# Allegro board Single PMT Data AcquisitionV_3P3.brd (continued)
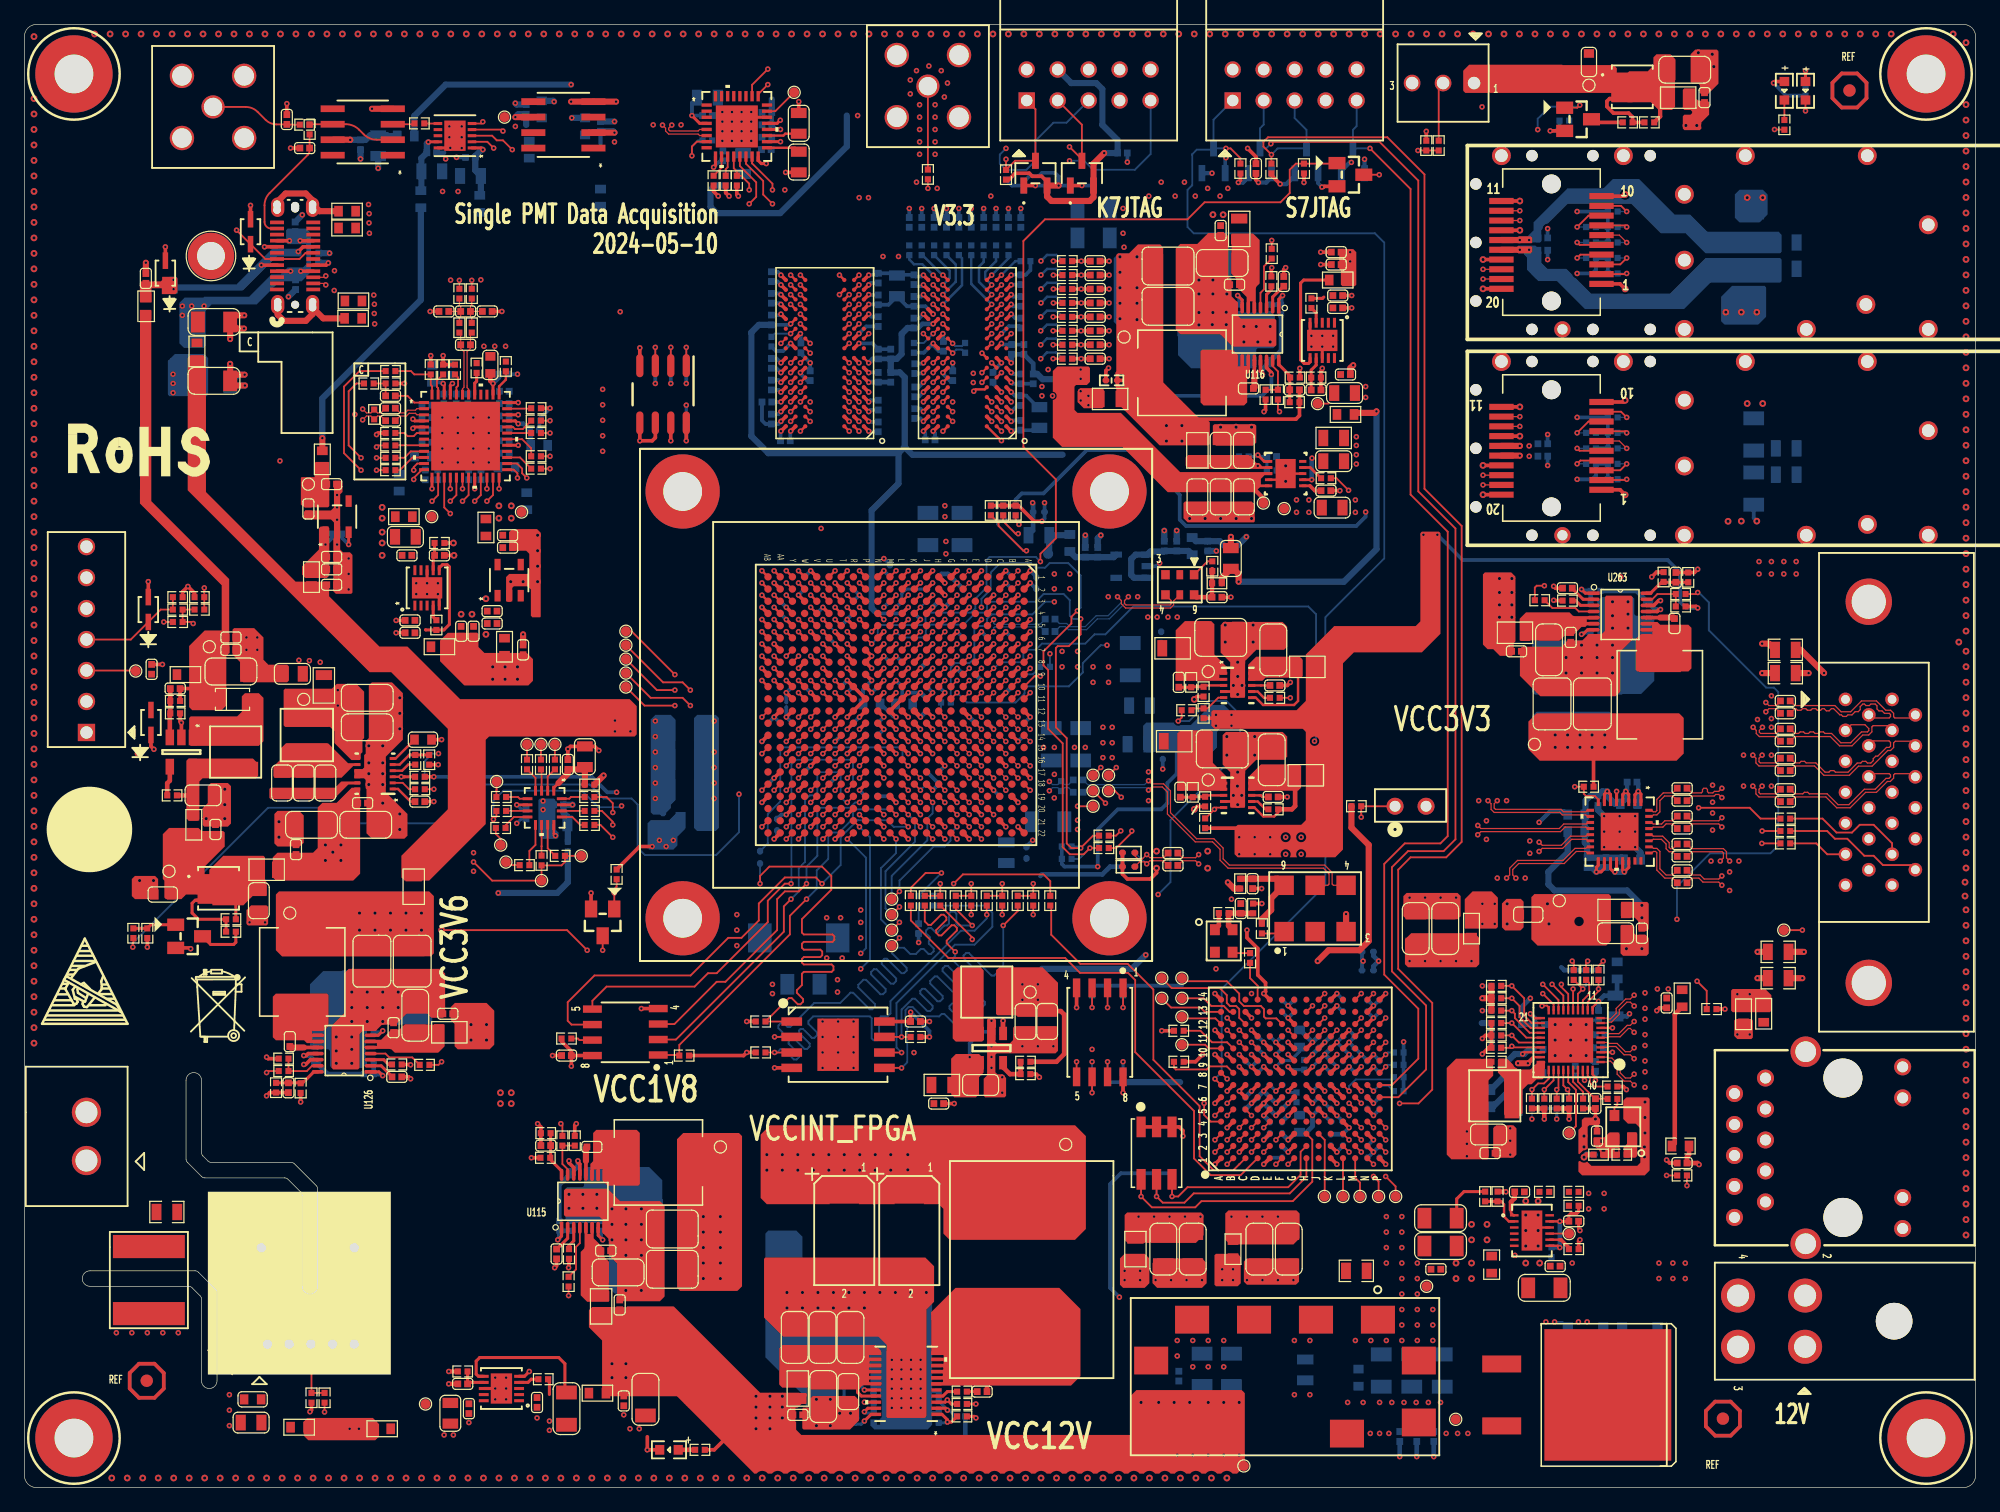
[diagram p0: board, top side]
## Routing (per net, layer and track width the routed paths; a pad name or vN(x,y) marks a point on that pad's centre or on a via; arc(x,y) is an arc through that point)
GND: length 626.9
  TOP w0.203: U98.12 43.41,53.6 v1(43.55,53.46) ; U23.8 U23.11 102.93,82.66 U23.4
  TOP w0.229: U119.4 98.99,65.29 ; U118.4 98.99,56.27
  TOP w0.254: U127.8 v1(106.43,93.57) ; v1(105.54,94.46) 105.43,94.57 U127.5 ; v1(34.92,109.87) U268.10 ; U271.18 129.56,50.77 129.29,50.5 v1(128.91,50.5) 128.91,50.88 129.06,51.03 U271.17 ; U271.5 v1(130.56,57.1) ; U133.5 41.01,9.13 v1(41.4,9.53) ; U133.8 v1(38.61,8.13) ; U129.11 v1(33.02,74.17) U129.8 ; v1(33.91,73.28) 34.02,73.17 U129.5 ; v1(58.81,112.02) 59.17,112.38 U267.22 ; U271.2 132.06,56.83 v1(132.33,57.1) 132.56,56.87 U271.1
  TOP w0.305: U79.7 v1(53.01,85.85) ; U1.H4 v1(75.48,72.19) U1.H3 ; U88.F5 v1(102.63,30.52) ; R869.2 R868.2 120.06,36.07 v1(119.55,35.56) ; R869.2 119.81,37.08 v1(119.55,36.83) ; R869.2 R872.2 ; U1.J3 v1(74.48,73.19) ; U76.B9 v1(73.72,87.44) ; U1.Y5 v1(62.48,71.19) ; U75.D8 v1(62.83,89.04) ; U88.L4 v1(108.63,29.52) ; C1186.2 88.68,91.61 v1(88.9,91.82) ; v1(28.88,86.36) 29,86.49 R976.1 ; U1.E20 v1(78.48,55.19) ; v1(47.11,60.45) 46.76,60.79 C882.2 44.78,60.79 v1(44.57,60.57) C881.2 ; U7.4 61.52,34.42 v1(61.52,34.43) ; U88.E10 v1(101.63,36.52) ; R975.2 v1(33.32,92.84) ; R1144.2 31.64,34.7 v1(31.67,34.67) ; U88.B4 v1(98.63,29.52) ; C546.2 v1(88.95,99.44) ; U88.C13 v1(100.63,38.52) ; U76.F9 v1(73.72,90.64) ; U88.P14 v1(111.63,40.52) ; U132.2 v1(25.64,77.34) ; U89.4 v1(86.28,39.37) ; U1.K13 v1(73.48,62.19) ; U79.6 51.74,86.11 51.48,85.85 v1(50.47,85.85) U79.5 ; U1.A12 v1(82.48,63.19) ; v1(134.66,26.87) 134.91,26.62 C838.1 ; R1114.2 96.17,64.88 v2(95.93,64.64) ; U1.N10 v1(70.48,66.19) ; U1.T17 v1(66.48,58.19) ; U88.F9 v1(102.63,35.52) ; C1272.2 31.51,33.69 v1(31.67,33.53) ; U1.D7 v1(79.48,69.19) ; R845.2 131.11,32.89 v1(131.37,32.64) ; U1.N8 v1(70.48,68.19) ; R2159.2 R2160.2 90.04,50.32 90.45,49.91 92.33,49.91 92.84,50.42 v2(92.84,50.8) ; U1.M9 v1(71.48,67.19) ; v1(23.41,6.22) 23.54,6.35 R1919.1 ; U1.K15 v1(73.48,60.19) ; U88.C7 v1(99.63,32.52) U88.C6 ; U1.T7 v1(66.48,69.19) ; U1.R8 v1(67.48,68.19) ; R844.1 C865.2 v2(128.82,30.23) 128.95,30.1 C839.2 ; CR4.2 v1(10.16,74.3) ; U1.U4 v1(65.48,72.19) ; U1.J1 v1(74.48,75.19) ; U88.A11 v1(97.63,37.52) ; R2099.2 v1(10.08,44.32) ; U88.D9 v1(100.63,35.52) ; CR3.1 10.38,60.79 v1(10.62,60.55) ; C555.2 v1(88.95,96.01) ; U1.AB19 v1(60.48,56.19) ; C553.2 v1(88.95,93.73) ; U1.L2 v1(72.48,74.19) ; U88.C8 v1(99.63,34.52) ; U1.A22 v1(81.48,54.19) ; v1(83.23,33.66) 82.98,33.91 R1130.2 ; R1089.2 v1(41.58,27.05) ; U88.L10 v1(108.63,36.52) ; U75.E1 v1(69.24,89.84) ; v1(56.9,105.92) 56.52,106.3 R2105.2 ; v2(131.26,106.05) 131.13,105.92 P3.10 ; U1.N11 v1(70.48,65.19) ; v1(18.54,105.16) CR1.2 ; C551.2 v1(88.95,97.16) ; U1.J10 v1(74.48,66.19) ; R1065.2 44.65,18.06 v1(44.62,18.03) ; U76.J2 v1(80.12,93.84) ; P4.10 131.13,89.03 v2(131.26,89.17) ; U75.B3 v1(67.64,87.44) ; U1.L8 v1(72.48,68.19) ; U1.P9 v1(69.48,66.19) ; 30.42,90.55 v1(31.16,90.55) ; P4.1 130.85,81.83 v2(131.26,81.42) ; U1.G5 v1(76.48,71.19) ; P4.14 v2(122.63,86.23) ; C550.2 v1(88.95,98.3) ; C2441.2 R2136.2 106.32,91.56 106.43,91.67 v1(106.43,91.8) ; U1.J14 v1(74.48,61.19) ; U1.H21 v1(75.48,54.19) ; U1.C16 v1(80.48,59.19) ; v1(100.25,45.72) 100.25,45.1 101.14,44.21 101.14,42.04 101.77,41.4 101.77,40.67 v1(101.63,40.52) U88.E14 ; C930.1 v1(101.45,49.13) ; R1086.2 133.84,75.08 v1(133.44,74.69) ; U1.J12 v1(74.48,63.19) ; U1.P13 v1(68.48,62.19) ; U88.L11 v1(108.63,37.52) ; U75.P9 v1(62.03,97.84) ; U75.J2 v1(68.43,93.84) ; U88.G12 v1(103.63,38.52) ; U76.D1 v1(80.92,89.04) ; 75.38,31.5 v1(76.25,31.5) ; U1.E10 v1(78.48,66.19) ; U1.J2 v1(74.48,74.19) ; R337.1 R338.1 R339.1 81.52,80.54 82.8,79.25 v1(83.44,79.25) ; CR2.1 v1(11.56,101.75) ; R1147.2 v1(22.65,31.62) ; U88.A6 v1(97.63,31.52) ; U1.M19 v1(71.48,56.19) ; v1(133.86,39.12) 134.09,39.35 C866.2 ; U88.B9 v1(98.63,35.52) ; C1176.2 43.64,18.19 v1(43.48,18.03) ; U1.E5 v1(78.48,71.19) ; U1.L10 v1(72.48,66.19) ; C1280.2 v1(108.84,97.76) ; U1.A1 v1(82.48,75.19) ; U76.M9 v1(73.72,96.24) ; U88.H9 v1(105.63,35.52) ; U1.K5 v1(73.48,71.19) ; U1.AA22 v1(61.48,53.19) ; P4.11 v2(122.63,88.63) ; C2961.1 v1(33.27,96.46) ; U88.N5 v1(110.63,30.52) ; v1(125.4,72.77) 125.43,72.74 R1083.2 ; Q10.2 v1(46.47,48.77) ; C2474.1 v1(108.84,96.75) ; v1(125.4,73.92) 125.56,73.76 C1203.2 ; U1.G1 v1(76.48,75.19) ; R1883.2 v1(33.94,59.29) ; U1.C7 v1(80.48,69.19) ; U76.G8 v1(74.52,91.44) ; U88.P1 v1(111.63,26.52) ; U1.A7 v1(82.48,69.19) ; U1.N16 v1(70.48,59.19) ; v1(102.28,100.05) 102.25,100.02 R1068.2 ; D2.1 v1(82.91,106.78) ; U88.L8 v1(108.63,34.52) ; U75.P1 v1(69.24,97.84) ; U88.N3 v1(110.63,28.52) ; U124.2 v1(79.3,38.29) ; U1.J8 v1(74.48,68.19) ; R2170.2 12.97,73.47 v1(13.4,73.91) 13.95,73.36 R2036.2 ; U88.E8 v1(101.63,34.52) ; U88.H5 v1(105.63,30.52) ; U1.M7 v1(71.48,69.19) ; U88.J10 v1(106.63,36.52) ; U79.4 v1(50.47,93.47) ; U76.B3 v1(79.32,87.44) ; v1(104.59,91.8) R1073.2 ; v1(103.42,100.05) 103.27,99.89 C1190.2 ; D3.1 v1(86.72,106.78) ; U1.F7 v1(77.48,69.19) ; v1(58.55,105.92) 58.42,106.05 R2106.2 ; U1.AB9 v1(60.48,67.19) ; U1.V21 v1(64.48,54.19) ; DS24.2 v1(51.08,3.1) 51.08,4.17 ; C1279.2 v1(106.3,101.32) ; U75.F9 v1(62.03,90.64) ; U76.J8 v1(74.52,93.84) ; U88.D11 v1(100.63,37.52) ; U1.C5 v1(80.48,71.19) ; P3.17 v2(119.61,100.72) ; U1.P3 v1(68.48,73.19) ; U88.E3 v1(101.63,28.52) ; C2476.1 v1(30.48,71.12) ; U88.E6 v1(101.63,31.52) U88.D5 ; U1.K9 v1(73.48,67.19) ; U76.G9 v1(73.72,91.44) ; U75.G8 v1(62.83,91.44) ; U1.E1 v1(78.48,75.19) ; P3.20 v2(119.61,98.32) ; U75.T1 v1(69.24,99.44) ; v1(103.81,66.04) 103.55,65.79 C1231.1 ; U1.H5 v1(75.48,71.19) ; Q21.2 v1(125.12,111.27) ; U88.K7 v1(107.63,32.52) U88.L6 ; U1.D13 v1(79.48,62.19) ; C554.2 v1(88.95,94.87) ; C2088.1 v1(33.58,56.26) ; R2137.2 v2(35.18,77.47) ; C799.2 100.99,107.24 v1(101.19,107.04) ; U261.2 v1(12.87,62.74) 12.77,62.85 R2039.2 ; U76.D8 v1(74.52,89.04) ; U76.M1 v1(80.92,96.24) ; v1(34.34,92.84) R981.2 R968.1 ; U1.N6 v1(70.48,70.19) ; U75.G1 v1(69.24,91.44) ; U1.W8 v1(63.48,67.19) ; R967.1 v1(43.1,88.52) ; U88.A14 v1(97.63,40.52) ; U75.A9 v1(62.03,86.64) ; U1.P15 v1(68.48,60.19) ; U88.N9 v1(110.63,35.52) ; U1.H11 v1(75.48,65.19) ; v1(67.48,63.19) U1.R12 U1.P11 U1.R10 v1(67.48,66.19) ; U1.V1 v1(64.48,75.19) ; C2965.1 v1(21.83,109.86) ; U76.P9 v1(73.72,97.84) ; U1.M11 v1(71.48,65.19) ; U75.M9 v1(62.03,96.24) ; U273.4 v1(50.59,39.29) ; U88.A9 v1(97.63,35.52) ; U75.E2 v1(68.44,89.84) ; U88.G3 v1(103.63,28.52) ; U1.R14 v1(67.48,61.19) ; U88.A1 v1(97.63,26.52) ; U1.N12 v1(70.48,63.19) ; J78.1 J78.2 J78.3 94.69,29.58 95,29.28 v1(95,28.83) ; 102.81,56.64 v1(103.55,56.64) ; U1.U14 v1(65.48,61.19) ; U1.W18 v1(63.48,57.19) ; U1.B9 v1(81.48,67.19) ; U88.J7 v1(106.63,32.52) ; U88.G6 v1(103.63,31.52) ; U75.T9 v1(62.03,99.44) ; P4.17 v2(119.61,83.83) ; U75.E8 v1(62.83,89.84) ; U76.B1 v1(80.92,87.44) ; U88.N12 v1(110.63,38.52) ; U1.E7 v1(78.48,69.19) ; U1.B7 v1(81.48,69.19) ; U1.Y15 v1(62.48,60.19) ; U76.T9 v1(73.72,99.44) ; U88.M9 v1(109.63,35.52) ; U1.F3 v1(77.48,73.19) ; U1.G14 v1(76.48,61.19) ; C1296.2 v1(30.48,70.1) ; U75.M1 v1(69.24,96.24) ; U1.C1 v1(80.48,75.19) ; P3.1 130.85,98.72 v2(131.26,98.3) ; U1.D4 v1(79.48,72.19) ; U88.D7 v1(100.63,32.52) ; 96.82,55.86 96.17,55.86 v2(95.93,55.63) ; C2087.2 v1(34.21,61.34) ; C525.2 v1(88.95,100.58) ; C2501.1 v1(21.52,113.5) ; U88.J6 v1(106.63,31.52) ; U1.B4 v1(81.48,72.19) ; C2450.1 v1(98.93,73.03) ; U1.L14 v1(72.48,61.19) ; U1.L22 v1(72.48,53.19) ; U1.N14 v1(70.48,61.19) ; C641.2 v1(74.22,38.23) ; v1(106.4,106.65) 106.53,106.65 106.59,106.72 Q15.2 ; U1.A5 v1(82.48,71.19) ; C97.2 v1(107.87,81.76) ; C2439.2 v1(62.42,107.86) ; U88.K9 v1(107.63,35.52) ; U76.P1 v1(80.92,97.84) ; U1.AA12 v1(61.48,63.19) ; U1.M13 v1(71.48,62.19) ; U1.B3 v1(81.48,73.19) ; U88.C9 v1(99.63,35.52) ; U75.B1 v1(69.24,87.44) ; U1.V11 v1(64.48,65.19) ; U76.A9 v1(73.72,86.64) ; U1.AA2 v1(61.48,74.19) ; U1.R20 v1(67.48,55.19) ; U76.E2 v1(80.12,89.84) ; U75.D1 v1(69.24,89.04) ; P3.14 v2(122.63,103.12) ; U1.F4 v1(77.48,72.19) ; U76.E8 v1(74.52,89.84) ; U1.D3 v1(79.48,73.19) ; U1.B19 v1(81.48,56.19) ; U1.M15 v1(71.48,60.19) ; U76.G1 v1(80.92,91.44) ; U1.L12 v1(72.48,63.19) ; R657.2 v1(93.27,37.47) ; U75.J8 v1(62.84,93.84) ; U76.E1 v1(80.92,89.84) ; U88.K1 v1(107.63,26.52) ; U88.C2 v1(99.63,27.52) ; C522.2 v1(88.95,92.58) ; U75.G9 v1(62.03,91.44) ; C2477.2 v2(35.23,76.45) ; C2438.2 v1(63.5,113.67) ; U88.M8 v1(109.63,34.52) ; P3.11 v2(122.63,105.52) ; U88.J8 v1(106.63,34.52) ; U1.F17 v1(77.48,58.19) ; C2960.1 v1(39.16,96.46) ; U88.K14 v1(107.63,40.52) ; v1(13.64,44.2) 13.57,44.26 Q23.2 ; U88.E1 v1(101.63,26.52) ; U1.J18 v1(74.48,57.19) ; U75.B9 v1(62.03,87.44) ; U88.B7 v1(98.63,32.52) ; C2494.2 v1(43.31,35.43) ; C2966.1 v1(11.32,67.51) ; U76.T1 v1(80.92,99.44) ; U88.K5 v1(107.63,30.52) ; U88.G10 v1(103.63,36.52) ; C1277.1 v1(106.3,100.3) ; P4.20 v2(119.61,81.43)
  TOP w0.356: 35.54,8.51 v1(34.8,8.51) ; 35.54,9.53 v1(34.8,9.53)
  TOP w0.5: C2963.2 v1(16.87,92.16) ; C2963.2 17.25,90.39 v1(18.09,90.39) ; C2963.2 17.38,91.27 v1(18.06,91.27) ; C2962.2 17.4,95.06 v1(18.01,95.06) ; C2962.2 16.89,95.61 16.89,95.83 17.2,96.14 v1(18.03,96.14) ; C2962.2 v1(16.87,94.19) ; v1(9.96,100.46) C2412.1
  TOP w0.508: C1299.1 v1(40.89,69.98) ; U269.4 v1(28.5,113.08) ; U103.3 v1(108.38,47.04) ; C2484.2 v1(98.93,77.98) ; v1(142.49,69.21) 143.04,69.21 R2087.2 ; R2085.2 v1(142.11,41.78) ; v1(48.51,113.67) U264.4 v1(44.83,113.67) ; v1(108.97,92.05) 108.73,91.81 C1282.1 ; R2084.2 v1(142.12,43.94) ; R2086.2 v1(142.5,66.8)
  ART03 w0.305: v1(98.63,32.52) 97.4,32.52 96.32,33.6 88.06,33.6 86.99,34.67 86.99,35.38 v1(87.55,35.94) ; v1(99.63,34.52) 99.22,34.92 v1(90.09,34.92)
  ART08 w0.305: v1(81.71,104.9) v1(80.69,104.9) v1(79.68,104.9) v1(78.66,104.9) v1(77.64,104.9) v1(76.63,104.9) v1(75.61,104.9) v1(74.6,104.9) v1(73.58,104.9) v1(72.56,104.9) ; v1(47.11,60.45) 46.86,60.69 46.86,84.44 v1(47.42,84.99) v1(47.42,86.26) v1(47.42,87.53) v1(47.42,88.8) v1(47.42,90.07) 47.42,95 ; v1(51.74,56.52) 49.07,56.52 49,56.44 48.34,56.44 48.03,56.74 48.03,57.3 48.59,57.86 48.59,60.68 47.88,61.39 47.88,83.95 48.62,84.68 48.62,94.42 53.9,99.69
  BOTTOM w0.254: C885.2 40.74,54.84 v1(40.37,54.48) ; R874.2 R875.2 ; R874.2 R873.2 ; R874.2 v1(125.65,30.23) ; C798.2 v1(90.09,34.92) ; v2(103.42,83.79) 103.04,83.41 R219.2 C271.2 ; v2(128.06,37.97) 128.42,38.34 C851.2 ; v1(119.55,39.12) R871.2 R870.2 R856.2 v1(119.55,41.15) ; R1042.1 67.21,5.33 66.85,5.7 v2(66.85,6.1) ; C642.2 v1(54.28,88.77) ; C855.2 v2(125.52,37.97)
  BOTTOM w0.305: v1(68.43,93.84) 69.55,93.84 C506.2 C520.2 ; C419.2 67.01,65.73 v1(67.48,66.19) ; C853.2 128.49,37.13 v2(128.06,36.7) 128.68,36.09 128.68,36.07 C854.2 ; C2492.2 141.8,79.52 v2(142.06,79.26) ; v1(61.48,53.19) 61.72,53.44 C408.2 ; R41.2 77.98,55.68 v1(78.48,55.19) ; C763.2 108.09,30.05 v1(107.63,30.52) ; C753.2 107.09,31.05 v1(106.63,31.52) ; C527.2 v1(79.68,104.9) ; C782.2 110.13,31.02 v1(110.63,30.52) 111.13,31.02 C781.2 ; v1(73.48,71.19) 72.97,71.69 C491.2 ; U272.2 92.84,75.56 v1(93.09,75.82) ; C556.2 75,93.2 74.52,93.68 v1(74.52,93.84) 73.75,93.07 R490.2 ; v1(98.53,109.07) 98.46,109 D9.1 ; C783.2 103.13,39.01 v1(103.63,38.52) 104.13,39.02 C779.2 ; C572.2 81.03,91.33 v1(80.92,91.44) ; v1(80.92,99.44) 80.94,99.46 C564.2 82.11,99.46 82.49,99.84 R8.2 ; C2491.2 v1(124.91,86.37) ; C568.2 81,87.52 v1(80.92,87.44) ; C434.2 80.97,56.7 v1(81.48,56.19) ; v1(69.24,87.44) 69.28,87.39 C539.2 ; 70.02,97.81 69.27,97.81 v1(69.24,97.84) ; R665.2 105.18,35.07 v1(105.63,35.52) ; v1(63.48,57.19) 63.98,57.7 C2495.2 ; v1(83.65,80.77) C2483.2 83.65,79.46 v1(83.44,79.25) ; C528.2 63.67,93 v1(64.44,92.24) C534.2 ; C401.2 60.98,62.69 v1(61.48,63.19) 61.98,62.69 C462.2 ; C511.2 63.98,74.69 v1(64.48,75.19) ; C426.2 79.01,68.73 v1(79.48,69.19) ; v1(81.48,69.19) 81.01,68.73 C144.2 ; C561.2 73.65,91.37 v1(73.72,91.44) ; v1(70.48,63.19) 69.98,62.69 C166.2 ; D4.1 v1(82.91,106.78) ; D5.1 v1(86.72,106.78) ; v1(69.24,89.04) 69.37,89.17 C540.2 ; C427.2 77.01,68.73 v1(77.48,69.19) ; v1(60.48,56.19) 60.98,56.7 C410.2 ; v1(111.63,26.52) 111.13,27.02 C771.2 ; v1(105.63,30.52) 106.13,31.02 C762.2 ; 79.42,90.66 79.42,90.54 v1(80.12,89.84) ; C792.2 108.12,29.02 v1(108.63,29.52) ; v1(73.72,87.44) 73.47,87.69 C559.2 ; v1(108.63,37.52) 109.09,37.05 C793.2 109.09,36.99 v1(108.63,36.52) 109.09,36.05 C772.2 109.12,36.02 v1(109.63,35.52) 110.12,35.02 C778.2 ; C526.2 v1(80.69,104.9) ; C790.2 107.12,40.02 v1(107.63,40.52) 108.12,40.02 C787.2 ; v1(110.63,28.52) 110.12,28.01 C795.2 ; C217.2 v1(73.33,44.7) ; C515.2 70.98,75.69 v1(70.48,76.19) ; C565.2 81.25,95.9 v1(80.92,96.24) ; v1(62.03,96.24) 61.95,96.16 C507.2 ; v1(62.03,90.64) 61.85,90.82 C536.2 ; v1(80.12,93.84) 80.21,93.75 C573.2 C545.2 ; R2143.2 64.98,71.7 v1(65.48,72.19) ; v1(71.48,56.19) 70.97,56.7 C403.2 ; C418.2 67.98,61.7 v1(67.48,61.19) ; C508.2 67.97,73.7 v1(68.48,73.19) 67.97,72.69 C514.2 ; v1(93.34,58.93) 93.35,58.93 C1185.2 ; C776.2 102.16,27.05 v1(101.63,26.52) ; C775.2 108.16,34.05 v1(108.63,34.52) 109.09,34.05 C794.2 ; v1(102.63,35.52) 103.13,36.02 C773.2 ; C529.2 60.48,87.52 60.77,87.23 C535.2 61.82,87.23 v1(62.03,87.44) ; v1(82.48,75.19) 82.97,74.7 C146.2 ; v1(75.48,65.19) 74.98,65.69 C153.2 ; v1(80.92,89.84) 81.21,89.55 C569.2 82.15,89.55 83.1,88.61 C566.2 ; 74.98,7.89 73.72,7.89 v1(73.49,8.12) ; C409.2 65.98,57.69 v1(66.48,58.19) ; C505.2 v1(90.44,108.71) ; v1(99.63,34.52) 100.09,34.05 C768.2 ; C560.2 73.34,90.26 v1(73.72,90.64) ; C23.2 v1(124.91,103.25) ; v1(82.48,63.19) 81.97,62.69 C415.2 ; v1(125.12,111.27) 125.57,111.27 125.88,111.57 R1196.2 ; C492.2 61.98,71.69 v1(62.48,71.19) ; C531.2 69.44,96.03 v1(69.24,96.24) ; v1(73.72,99.44) 73.61,99.33 73.07,99.33 C571.2 71.61,99.46 C250.2 71.36,99.59 C543.2 69.9,99.46 69.26,99.46 v1(69.24,99.44) ; v1(80.48,75.19) 80.97,74.7 C431.2 ; R276.2 74.01,58.7 C417.2 74.98,57.69 v1(74.48,57.19) ; L3.1 68.77,65.45 C420.2 69.01,65.73 v1(69.48,66.19) 69.01,66.66 C165.2 ; C761.2 107.09,34.05 v1(106.63,34.52) ; v1(43.1,88.52) 42.23,87.65 C907.1 ; v1(110.63,35.52) 111.12,35.02 C785.2 ; v1(66.48,69.19) 65.97,69.7 C510.2 ; R458.2 61.62,93.22 62.22,93.22 v1(62.84,93.84) ; C2449.2 v1(35.43,109.09) ; R666.2 107.13,33.01 v1(107.63,32.52) ; C14.2 v1(81.71,104.9) ; C22.2 v1(124.91,100.71) ; C547.2 v1(76.63,104.9) ; C780.2 111.13,39.02 v1(110.63,38.52) 110.13,39.02 C789.2 ; v1(70.48,72.19) 70.98,72.69 C516.2 ; C757.2 101.16,34.05 v1(101.63,34.52) 102.09,34.05 C759.2 ; C570.2 73.56,97.68 v1(73.72,97.84) ; C552.2 v1(72.56,104.9) ; C494.2 70.98,67.69 v1(70.48,68.19) ; v1(100.63,37.52) 101.12,37.02 C760.2 101.16,36.99 v1(101.63,36.52) 102.09,36.05 C797.2 ; v1(106.4,106.65) 106.08,106.97 D7.1 ; C533.2 61.94,97.94 v1(62.03,97.84) ; C558.2 73.87,86.49 v1(73.72,86.64) ; v1(82.68,53.09) 82.17,52.58 C2413.2 ; C2493.2 v1(124.91,83.83) ; v1(68.48,62.19) 68.95,62.66 C155.2 ; C548.2 v1(77.64,104.9) ; R1046.1 73.92,6.12 v1(73.49,6.54) ; C562.2 81.08,97.68 v1(80.92,97.84) ; v1(62.03,86.64) 62,86.61 C530.2 ; C557.2 v1(76.12,92.24) ; C463.2 63.97,65.7 v1(64.48,65.19) ; C523.2 v1(74.6,104.9) ; v1(65.48,61.19) 65.97,61.69 R2141.2 ; C541.2 69.25,91.46 v1(69.24,91.44) ; C15.2 v1(75.61,104.9) ; v1(62.03,99.44) 61.76,99.71 C538.2 ; v1(62.03,91.44) 61.67,91.8 C532.2 ; C13.2 v1(78.66,104.9) ; C563.2 73.38,95.9 v1(73.72,96.24) ; C524.2 v1(73.58,104.9) ; C906.1 v1(40.43,91.31)
  BOTTOM w0.356: D6.1 v1(109.89,108.94) ; C2443.2 34.42,109.47 ; v1(101.19,107.04) 101.83,107.04 102.27,107.48 D8.1 ; v1(132.33,57.1) 132.33,57.75 C2472.1 ; v1(124.21,54.56) 125.09,55.45 126.24,55.45 126.49,55.19 C2471.2
  BOTTOM w0.381: v1(79.48,62.19) 78.97,62.7 C441.2 ; R1070.1 102.03,95.35 ; C792.2 C796.2 ; v1(77.48,73.19) 77.01,72.72 C430.2 ; C756.2 103.13,29.01 v1(103.63,28.52) 104.25,29.14 L41.1 105.14,29.14 105.63,29.63 v1(105.63,30.52) ; R1080.1 130.1,72.52 ; C440.2 80.97,66.69 v1(81.48,67.19) ; v1(131.62,38.86) 131.4,38.65 C841.2 ; C786.2 110.62,43.6 v1(111.05,43.18) 110.62,42.76 C788.2 ; v1(73.48,67.19) 73.95,67.66 C495.2 ; R1064.1 44.88,22.73 44.75,22.86 ; C438.2 77.97,66.7 v1(78.48,66.19) ; C2482.2 75.94,72.66 v1(75.48,72.19) ; C755.2 102.13,29.02 v1(101.63,28.52) ; C842.2 128.55,34.94 v2(128.06,35.43) ; v1(100.63,32.52) U88.C6 C754.2 ; C758.2 107.09,36.98 v1(106.63,36.52) 106.16,36.05 C774.2 106.13,36.02 v1(105.63,35.52) ; R1143.1 26.97,34.92 ; C767.2 101.16,31.05 v1(101.63,31.52) 102.09,31.05 C769.2 102.13,31.01 v1(102.63,30.52) 103.13,31.02 C764.2 103.16,31.05 v1(103.63,31.52)
  BOTTOM w0.5: v1(16.87,92.16) 16.87,90.64 C2964.2 ; C2499.1 v1(21.66,97.67) ; v1(18.06,91.27) 17.53,91.27 C2964.2 ; C2964.2 17.12,90.39 v1(18.09,90.39) ; C2967.1 v1(25.02,101.24) ; C2500.1 v1(22.78,104.37)
  BOTTOM w0.508: C2446.2 v1(29.01,108.2) ; C2415.1 v1(48.39,112.03) ; C2488.2 88.01,77.85 v1(88.27,78.11) ; C2467.2 132.33,56.15 v1(132.33,57.1) ; v1(40.26,113.54) 40.37,113.43 C2418.1 ; C2417.2 43.37,113.73 v1(43.43,113.67) ; C2487.1 v1(94.49,78.49) ; C2469.1 129.03,55.58 v1(129.54,55.07) ; C2485.1 v1(97.74,76.82) ; C2468.2 132.53,52.08 v1(132.08,52.53) ; C2447.2 v1(27.56,108.97) ; C2486.2 v1(93.47,78.49) ; C2489.1 v1(87,78.11) ; C2470.1 129.27,50.86 v1(128.91,50.5) 128.54,50.86 C2473.1 ; C2416.2 v1(44.89,112.33)
  vias: v1(7.54,12.7) v1(8.81,12.7) v1(9.27,60.2) v1(10.08,12.7) v1(11.35,12.7) v1(12.62,12.7) v1(16.81,7.62) v1(16.81,6.35) v1(16.81,5.08) v1(18.21,69.72) v1(18.21,68.71) v1(18.46,46.35) v1(19.1,69.72) v1(19.1,68.71) v1(19.73,46.35) v1(20.95,84.2) v1(25.43,99.8) v1(25.41,98.18) v1(25.64,81.41) v1(25.64,80.39) v1(25.64,79.38) v1(26.59,76.2) v1(26.59,74.93) v1(26.59,73.66) v1(27.1,88.01) v1(28.22,105.23) v1(28.27,104.48) v1(28.26,103.72) v1(28.29,102.87) v1(28.65,97.8) v1(28.7,97.05) v1(28.69,96.29) v1(28.72,95.44) v1(32.13,74.17) v1(32.13,73.28) v1(33.02,73.28) v1(33.91,74.17) v1(34.29,106.3) v1(34.27,87.76) v1(34.27,86.49) v1(34.27,85.22) v1(34.27,84.07) v1(34.42,4.32) v1(34.54,108.97) v1(34.84,111.63) v1(34.84,110.74) v1(34.95,99.03) v1(35.18,4.32) v1(35.54,87.76) v1(35.54,86.49) v1(35.54,85.22) v1(35.54,84.07) v1(35.56,106.3) v1(35.86,111.63) v1(35.86,110.74) v1(35.86,109.86) v1(36.45,5.33) v1(36.81,87.76) v1(36.81,86.49) v1(36.81,85.22) v1(36.81,84.07) v1(36.83,52.07) v1(36.83,50.55) v1(37.43,99.05) v1(37.68,93.6) v1(38.08,87.76) v1(38.08,86.49) v1(38.08,85.22) v1(38.08,84.07) v1(38.57,93.6) v1(38.61,9.02) v1(38.61,7.24) v1(39.46,93.6) v1(39.5,9.02) v1(39.5,8.13) v1(39.5,7.24) v1(42.04,5.71) v1(42.53,56.31) v1(42.53,55.6) v1(43.05,5.46) v1(43.05,4.7) v1(48.86,96.43) v1(49.15,5.97) v1(49.66,4.83) v1(50.42,4.83) v1(51.56,111.76) v1(51.74,62.87) v1(51.74,61.59) v1(51.74,60.33) v1(51.74,59.05) v1(51.74,57.78) v1(53.85,111.76) v1(57.23,112.81) v1(57.23,112.02) v1(57.23,111.23) v1(57.23,110.44) v1(58.02,112.81) v1(58.02,112.02) v1(58.02,111.23) v1(58.02,110.44) v1(58.81,112.81) v1(58.81,111.23) v1(58.81,110.44) v1(59.6,112.81) v1(59.6,112.02) v1(59.6,111.23) v1(59.6,110.44) v1(62.36,106.43) v1(64.43,89.04) v1(65.33,78.66) v1(65.45,38.23) v1(65.45,36.96) v1(65.45,35.69) v1(65.45,34.42) v1(65.79,46.74) v1(65.79,43.43) v1(66.67,41.66) v1(66.67,40.64) v1(66.72,38.23) v1(66.72,36.96) v1(66.72,35.69) v1(66.72,34.42) v1(66.93,46.74) v1(67.06,43.43) v1(67.99,38.23) v1(67.99,36.96) v1(67.99,35.69) v1(67.99,34.42) v1(70.41,100.97) v1(71.13,10.48) v1(71.13,9.69) v1(71.13,8.9) v1(71.13,8.11) v1(71.13,7.33) v1(71.13,6.54) v1(71.67,100.97) v1(71.92,10.48) v1(71.92,9.69) v1(71.92,8.9) v1(71.92,8.11) v1(71.92,7.33) v1(71.92,6.54) v1(72.64,115.44) v1(72.64,114.3) v1(72.7,10.48) v1(72.7,9.69) v1(72.7,8.9) v1(72.7,8.12) v1(72.7,7.33) v1(72.7,6.54) v1(72.94,35.68) v1(73.15,116.2) v1(73.15,107.06) v1(73.41,113.41) v1(73.41,112.39) v1(73.41,111.38) v1(73.41,110.36) v1(73.41,109.35) v1(73.49,10.48) v1(73.49,9.69) v1(73.49,8.9) v1(73.49,7.33) v1(74.17,116.59) v1(74.68,113.41) v1(74.68,112.39) v1(74.68,111.38) v1(74.68,110.36) v1(74.68,109.35) v1(74.85,106.55) v1(75.18,116.2) v1(75.44,114.05) v1(75.48,80.53) v1(75.48,79.63) v1(75.69,115.19) v1(76.12,89.04) v1(77.81,91.38) v1(77.81,90.63) v1(79.25,105.92) v1(79.3,36.21) v1(79.3,35.32) v1(79.3,34.43) v1(80.18,33.66) v1(80.18,32.38) v1(81.48,71.19) v1(81.83,36.2) v1(83.11,36.2) v1(83.57,60.71) v1(84.45,56.56) v1(84.38,36.2) v1(84.45,60.71) v1(84.46,58.5) v1(86.11,60.71) v1(86.36,54.74) v1(86.36,53.98) v1(87,60.71) v1(88.88,73.06) v1(90.09,104.91) v1(90.09,102.87) v1(91.29,73.06) v1(92.12,71.39) v1(92.2,105.92) v1(92.18,58.7) v1(92.18,56.34) v1(92.76,17.02) v1(92.88,71.39) v1(93.22,107.06) v1(93.77,71.39) v1(94.03,17.02) v1(94.36,105.92) v1(94.53,71.39) v1(94.53,12.06) v1(94.53,10.79) v1(95.12,107.06) v1(95.3,17.02) v1(95.81,12.06) v1(95.81,9.91) v1(96.01,105.92) v1(96.57,17.02) v1(97.03,106.55) v1(97.08,12.06) v1(97.08,9.91) v1(97.71,42.55) v1(98.04,105.92) v1(98.34,12.06) v1(98.34,9.91) v1(98.68,106.55) v1(98.98,48.26) v1(100.25,17.02) v1(100.63,40.52) v1(101.52,17.02) v1(102.79,17.02) v1(104.06,17.02) v1(105.54,93.57) v1(106.43,94.46) v1(107.31,94.46) v1(107.31,93.57) v1(109.14,81) v1(109.14,79.98) v1(109.22,84.71) v1(109.22,83.95) v1(109.98,90.3) v1(109.98,89.41) v1(113.58,48.39) v1(114.86,48.39) v1(116.12,48.39) v1(117.39,48.39) v1(119.25,56.34) v1(119.53,113.23) v1(119.89,54.69) v1(119.89,53.16) v1(120.78,49.99) v1(121.54,56.34) v1(121.84,29.46) v1(121.84,28.45) v1(121.84,27.3) v1(123.06,49.99) v1(123.44,53.04) v1(123.44,52.02) v1(129.54,53.8) v1(129.54,52.53) v1(130.81,55.07) v1(130.81,53.8) v1(130.81,52.53) v1(130.9,74.69) v1(132.08,55.07) v1(132.08,53.8) v1(132.89,40.58) v1(132.89,39.31) v1(132.89,38.42) v1(132.89,37.15) v1(132.89,36.26) v1(132.89,34.99) v1(132.89,34.1) v1(132.89,32.83) v1(138.3,51.38) v1(138.43,57.61) v1(138.43,56.21) v1(138.43,55.32) v1(138.43,53.92) v1(139.83,50.5) v1(139.83,48.97) v1(140.46,40.47) v1(140.59,51.38) v1(140.97,60.07) v1(140.97,57.53) v1(141.48,40.47) v1(142.11,62.99) v1(143.26,64.93) v1(143.26,63.07) v1(143.26,62.36) v1(143.26,60.07) v1(143.26,57.53) v2(0.79,119) v2(0.79,113.92) v2(0.79,112.65) v2(0.79,111.38) v2(0.79,110.11) v2(0.79,108.84) v2(0.79,107.57) v2(0.79,106.3) v2(0.79,105.03) v2(0.79,103.76) v2(0.79,102.49) v2(0.79,101.22) v2(0.79,99.95) v2(0.79,98.68) v2(0.79,97.41) v2(0.79,96.14) v2(0.79,94.87) v2(0.79,93.6) v2(0.79,92.33) v2(0.79,91.06) v2(0.79,89.79) v2(0.79,88.52) v2(0.79,87.25) v2(0.79,85.98) v2(0.79,84.71) v2(0.79,83.44) v2(0.79,82.17) v2(0.79,80.9) v2(0.79,79.63) v2(0.79,78.36) v2(0.79,77.09) v2(0.79,75.82) v2(0.79,74.55) v2(0.79,73.28) v2(0.79,72.01) v2(0.79,70.74) v2(0.79,69.47) v2(0.79,68.2) v2(0.79,66.93) v2(0.79,65.66) v2(0.79,64.39) v2(0.79,63.12) v2(0.79,61.85) v2(0.79,60.58) v2(0.79,59.31) v2(0.79,58.04) v2(0.79,56.77) v2(0.79,55.5) v2(0.79,54.23) v2(0.79,52.96) v2(0.79,51.69) v2(0.79,50.42) v2(0.79,49.15) v2(0.79,47.88) v2(0.79,46.61) v2(0.79,45.34) v2(0.79,44.07) v2(0.79,42.8) v2(0.79,41.53) v2(0.79,40.26) v2(0.79,38.99) v2(0.79,37.72) v2(0.79,36.45) v2(5.76,119.21) v2(7.03,119.21) v2(7.16,0.79) v2(8.3,119.21) v2(8.43,0.79) v2(9.45,49.78) v2(9.57,119.21) v2(9.7,0.79) v2(10.59,49.78) v2(10.84,119.21) v2(10.97,0.79) v2(12.11,119.21) v2(12.24,0.79) v2(13.38,119.21) v2(13.51,0.79) v2(14.65,119.21) v2(14.78,0.79) v2(14.91,54.86) v2(15.92,119.21) v2(16.05,0.79) v2(16.43,57.28) v2(16.43,56.01) v2(16.43,54.86) v2(17.19,119.21) v2(17.32,0.79) v2(18.46,119.21) v2(18.59,0.79) v2(19.73,119.21) v2(19.86,0.79) v2(20.88,54.61) v2(20.88,53.34) v2(21,119.21) v2(21.13,0.79) v2(22.27,119.21) v2(22.4,0.79) v2(23.54,119.21) v2(23.67,0.79) v2(24.81,119.21) v2(24.94,0.79) v2(25.57,36.96) v2(25.57,35.81) v2(25.57,34.8) v2(26.08,119.21) v2(26.21,0.79) v2(26.84,40.64) v2(26.84,39.37) v2(26.84,38.23) v2(26.84,36.96) v2(26.84,35.94) v2(26.84,34.8) v2(27.35,119.21) v2(27.48,0.79) v2(28.11,40.64) v2(28.11,39.37) v2(28.11,38.23) v2(28.24,60.83) v2(28.24,59.44) v2(28.24,58.55) v2(28.24,57.66) v2(28.62,119.21) v2(28.75,0.79) v2(29.34,78.36) v2(29.34,77.47) v2(29.34,76.45) v2(29.38,60.83) v2(29.38,59.44) v2(29.38,58.55) v2(29.38,57.66) v2(29.38,56.13) v2(29.38,40.64) v2(29.38,39.37) v2(29.38,38.23) v2(29.89,119.21) v2(30.02,0.79) v2(30.65,40.64) v2(30.65,39.37) v2(30.78,64.77) v2(30.78,63.5) v2(30.78,62.23) v2(30.78,55.24) v2(30.78,53.98) v2(31.16,119.21) v2(31.29,0.79) v2(32.43,119.21) v2(32.56,0.79) v2(33.7,119.21) v2(33.83,0.79) v2(34.97,119.21) v2(35.1,0.79) v2(35.81,71.63) v2(36.24,119.21) v2(36.37,0.79) v2(36.7,71.63) v2(37.51,119.21) v2(37.64,0.79) v2(37.85,72.9) v2(37.85,69.98) v2(38.78,119.21) v2(38.91,0.79) v2(39.88,74.3) v2(40.05,119.21) v2(40.18,0.79) v2(40.89,74.3) v2(41.32,119.21) v2(41.45,0.79) v2(42.08,78.11) v2(42.08,76.83) v2(42.08,75.56) v2(42.08,74.3) v2(42.59,119.21) v2(42.72,0.79) v2(43.86,119.21) v2(43.99,0.79) v2(44.65,24.05) v2(44.65,22.91) v2(45.13,119.21) v2(45.26,0.79) v2(45.8,24.05) v2(45.8,22.91) v2(46.4,119.21) v2(46.53,0.79) v2(46.94,24.05) v2(46.94,22.91) v2(47.67,119.21) v2(47.8,0.79) v2(48.18,22.86) v2(48.18,21.59) v2(48.18,20.32) v2(48.94,119.21) v2(49.07,0.79) v2(49.32,22.86) v2(49.32,21.59) v2(49.32,20.32) v2(49.32,19.05) v2(49.32,16.17) v2(50.21,119.21) v2(50.34,0.79) v2(50.59,22.86) v2(50.59,21.59) v2(50.59,20.32) v2(50.59,19.05) v2(50.59,16.17) v2(51.48,119.21) v2(51.61,0.79) v2(52.75,119.21) v2(52.88,0.79) v2(54.02,119.21) v2(54.15,0.79) v2(55.29,119.21) v2(55.42,0.79) v2(56.56,119.21) v2(56.69,0.79) v2(57.83,119.21) v2(57.96,0.79) v2(59.1,119.21) v2(59.23,0.79) v2(60.37,119.21) v2(60.5,0.79) v2(61.64,119.21) v2(61.77,0.79) v2(62.53,16) v2(62.53,14.73) v2(62.91,119.21) v2(63.04,0.79) v2(63.8,16) v2(63.8,14.73) v2(64.18,119.21) v2(64.31,0.79) v2(64.94,7.24) v2(64.94,5.08) v2(65.07,16) v2(65.07,14.73) v2(65.45,119.21) v2(65.58,0.79) v2(66.09,7.24) v2(66.09,5.08) v2(66.34,16) v2(66.34,14.73) v2(66.72,119.21) v2(66.85,0.79) v2(67.61,16) v2(67.61,14.73) v2(67.74,6.1) v2(67.99,119.21) v2(68.12,0.79) v2(68.88,16) v2(68.88,14.73) v2(69.26,119.21) v2(69.39,0.79) v2(70.15,16) v2(70.53,119.21) v2(70.66,0.79) v2(71.42,16) v2(71.8,119.21) v2(71.93,0.79) v2(72.69,16) v2(73.07,119.21) v2(73.2,0.79) v2(73.96,16) v2(74.34,119.21) v2(74.47,0.79) v2(75.61,119.21) v2(75.74,0.79) v2(76.88,119.21) v2(77.01,0.79) v2(78.15,119.21) v2(78.28,0.79) v2(79.42,119.21) v2(79.55,0.79) v2(80.69,119.21) v2(80.82,0.79) v2(81.96,119.21) v2(82.09,0.79) v2(83.23,119.21) v2(83.36,0.79) v2(84.5,119.21) v2(84.63,0.79) v2(85.77,119.21) v2(85.9,0.79) v2(87.04,119.21) v2(87.17,0.79) v2(88.31,119.21) v2(88.44,0.79) v2(89.58,119.21) v2(89.71,0.79) v2(90.85,119.21) v2(90.98,0.79) v2(92.12,119.21) v2(92.25,0.79) v2(92.84,52.2) v2(93.39,119.21) v2(93.52,0.79) v2(94.66,119.21) v2(94.79,0.79) v2(95.55,79.48) v2(95.93,119.21) v2(96.06,0.79) v2(96.31,99.03) v2(96.31,97.89) v2(96.31,96.37) v2(96.31,95.35) v2(96.82,79.48) v2(97.03,52.2) v2(97.03,50.8) v2(97.2,119.21) v2(97.33,0.79) v2(97.41,95.38) v2(97.46,99.03) v2(97.46,97.89) v2(97.46,96.37) v2(98.09,86.97) v2(98.09,79.48) v2(98.47,119.21) v2(98.47,70.74) v2(98.47,69.34) v2(98.6,97.89) v2(98.55,96.39) v2(98.55,95.38) v2(98.6,61.59) v2(98.6,60.07) v2(98.6,0.79) v2(99.14,65.79) v2(99.14,56.77) v2(99.36,86.97) v2(99.36,79.48) v2(99.49,67.69) v2(99.49,66.52) v2(99.49,65.05) v2(99.49,58.67) v2(99.47,57.53) v2(99.49,56.01) v2(99.74,119.21) v2(99.85,65.79) v2(99.82,56.77) v2(100,95.22) v2(100,93.95) v2(100.63,86.97) v2(100.63,79.48) v2(100.76,70.74) v2(100.76,69.34) v2(100.89,61.59) v2(100.89,60.07) v2(101.01,119.21) v2(101.01,95.22) v2(101.14,93.95) v2(102.16,95.22) v2(102.16,93.95) v2(102.28,119.21) v2(103.42,82.52) v2(103.55,119.21) v2(104.82,119.21) v2(106.09,119.21) v2(107.36,119.21) v2(108.63,119.21) v2(109.9,119.21) v2(111.17,119.21) v2(112.44,119.21) v2(113.71,119.21) v2(114.98,119.21) v2(116.25,119.21) v2(117.52,119.21) v2(118.79,119.21) v2(120.06,119.21) v2(121.33,119.21) v2(121.59,47.88) v2(121.59,46.23) v2(122.6,119.21) v2(123.87,119.21) v2(125.14,119.21) v2(125.52,36.7) v2(125.52,35.43) v2(126.41,119.21) v2(126.42,68.08) v2(126.42,66.81) v2(126.79,37.97) v2(126.79,36.7) v2(126.79,35.43) v2(127.68,119.21) v2(127.69,69.09) v2(127.69,68.08) v2(127.69,66.81) v2(127.89,28.83) v2(127.89,27.94) v2(128.95,119.21) v2(128.96,69.09) v2(128.96,68.08) v2(128.96,66.81) v2(130.22,119.21) v2(130.23,72.65) v2(130.23,71.5) v2(130.23,70.49) v2(130.23,69.09) v2(130.23,68.08) v2(130.23,66.81) v2(131.37,44.2) v2(131.49,119.21) v2(131.5,72.65) v2(131.5,71.63) v2(131.5,70.49) v2(132.63,44.2) v2(132.76,119.21) v2(132.84,27.94) v2(132.84,27.13) v2(132.89,31.62) v2(132.89,30.35) v2(132.89,29.08) v2(134.03,119.21) v2(135.3,119.21) v2(136.57,119.21) v2(137.26,117.68) v2(137.84,119.21) v2(138.4,117.55) v2(138.53,116.54) v2(139.11,119.21) v2(139.52,96.4) v2(139.7,79.25) v2(140.38,119.21) v2(140.79,96.4) v2(140.79,79.26) v2(141.27,105.79) v2(141.27,88.91) v2(141.65,119.21) v2(142.06,96.4) v2(142.54,105.79) v2(142.54,88.91) v2(142.92,119.21) v2(144.19,119.21) v2(145.46,119.21) v2(146.73,119.21) v2(148,119.21) v2(149.27,119.21) v2(150.54,119.21) v2(151.81,119.21) v2(153.08,119.21) v2(158.16,119.21) v2(158.62,69.34) v2(159.13,49.66) v2(159.13,48.51) v2(159.21,118.5) v2(159.21,113.42) v2(159.21,112.15) v2(159.21,110.88) v2(159.21,109.61) v2(159.21,108.34) v2(159.21,107.07) v2(159.21,105.8) v2(159.21,104.53) v2(159.21,103.26) v2(159.21,101.99) v2(159.21,100.72) v2(159.21,99.45) v2(159.21,98.18) v2(159.21,96.91) v2(159.21,95.64) v2(159.21,94.37) v2(159.21,93.1) v2(159.21,91.83) v2(159.21,90.56) v2(159.21,89.29) v2(159.21,88.02) v2(159.21,86.75) v2(159.21,85.48) v2(159.21,84.21) v2(159.21,82.94) v2(159.21,81.67) v2(159.21,80.4) v2(159.21,79.13) v2(159.21,77.86) v2(159.21,76.59) v2(159.21,75.32) v2(159.21,74.05) v2(159.21,72.78) v2(159.21,71.51) v2(159.21,70.24) v2(159.21,68.59) v2(159.21,67.32) v2(159.21,66.05) v2(159.21,64.78) v2(159.21,63.51) v2(159.21,62.24) v2(159.21,60.97) v2(159.21,59.7) v2(159.21,58.43) v2(159.21,57.16) v2(159.21,55.89) v2(159.21,54.62) v2(159.21,53.35) v2(159.21,52.08) v2(159.21,50.81) v2(159.21,47.38) v2(159.21,46.11) v2(159.21,44.84) v2(159.21,43.57) v2(159.21,42.3) v2(159.21,41.03) v2(159.21,39.76) v2(159.21,38.49) v2(159.21,37.22) v2(159.21,35.95) v2(159.21,34.68) v2(159.21,33.41) v2(159.21,32.14) v2(159.21,30.87) v2(159.21,29.6) v2(159.21,28.33) v2(159.21,27.06) v2(159.21,25.79) v2(159.21,24.52) v2(159.21,23.25) v2(159.21,21.98) v2(159.21,20.71)
